# Altium PCB Holberton.PcbDoc (part 1 of 6)
Units mil, origin at the board's own origin, x right, y up, seen from the top; angles counter-clockwise.
Board outline 2963.39 x 3031.46 mil, 6 copper layers (Top Layer, GND, SL1, SL2, PWR, Bottom Layer), stack 30.516 mil thick; 455 components, 409 nets, 1505 pads, 1106 vias.
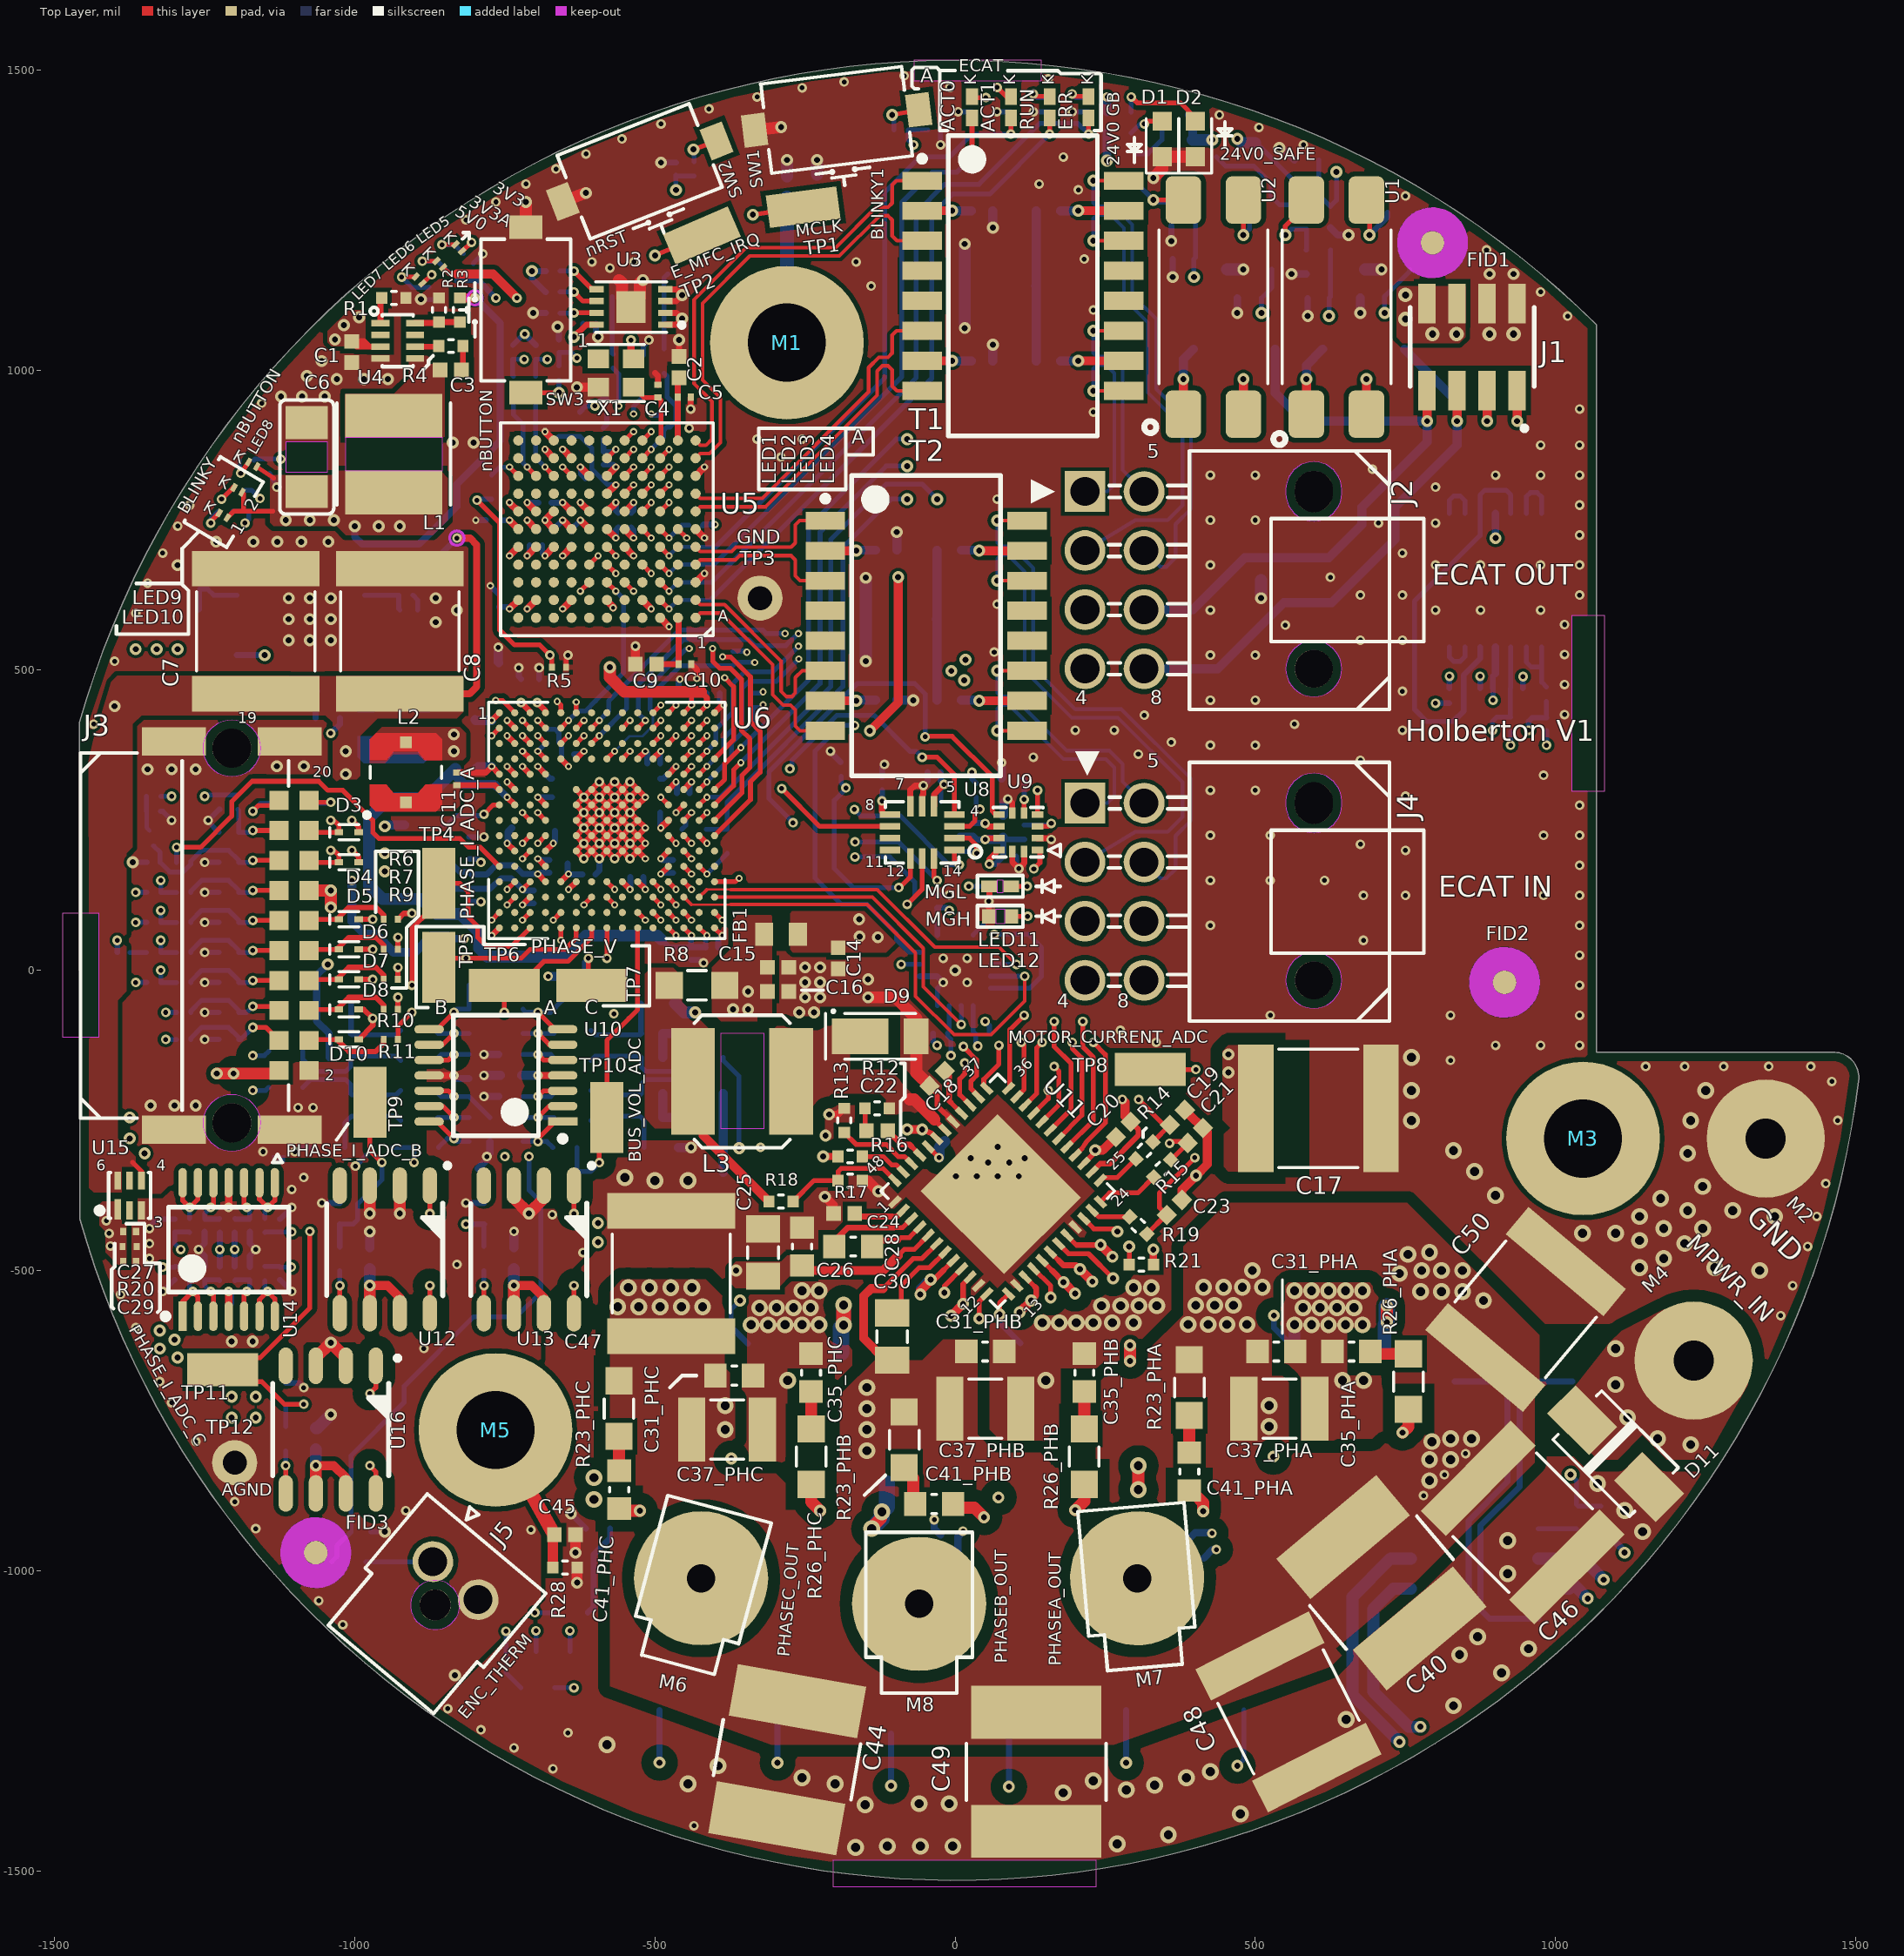
[diagram p0: Top Layer view]
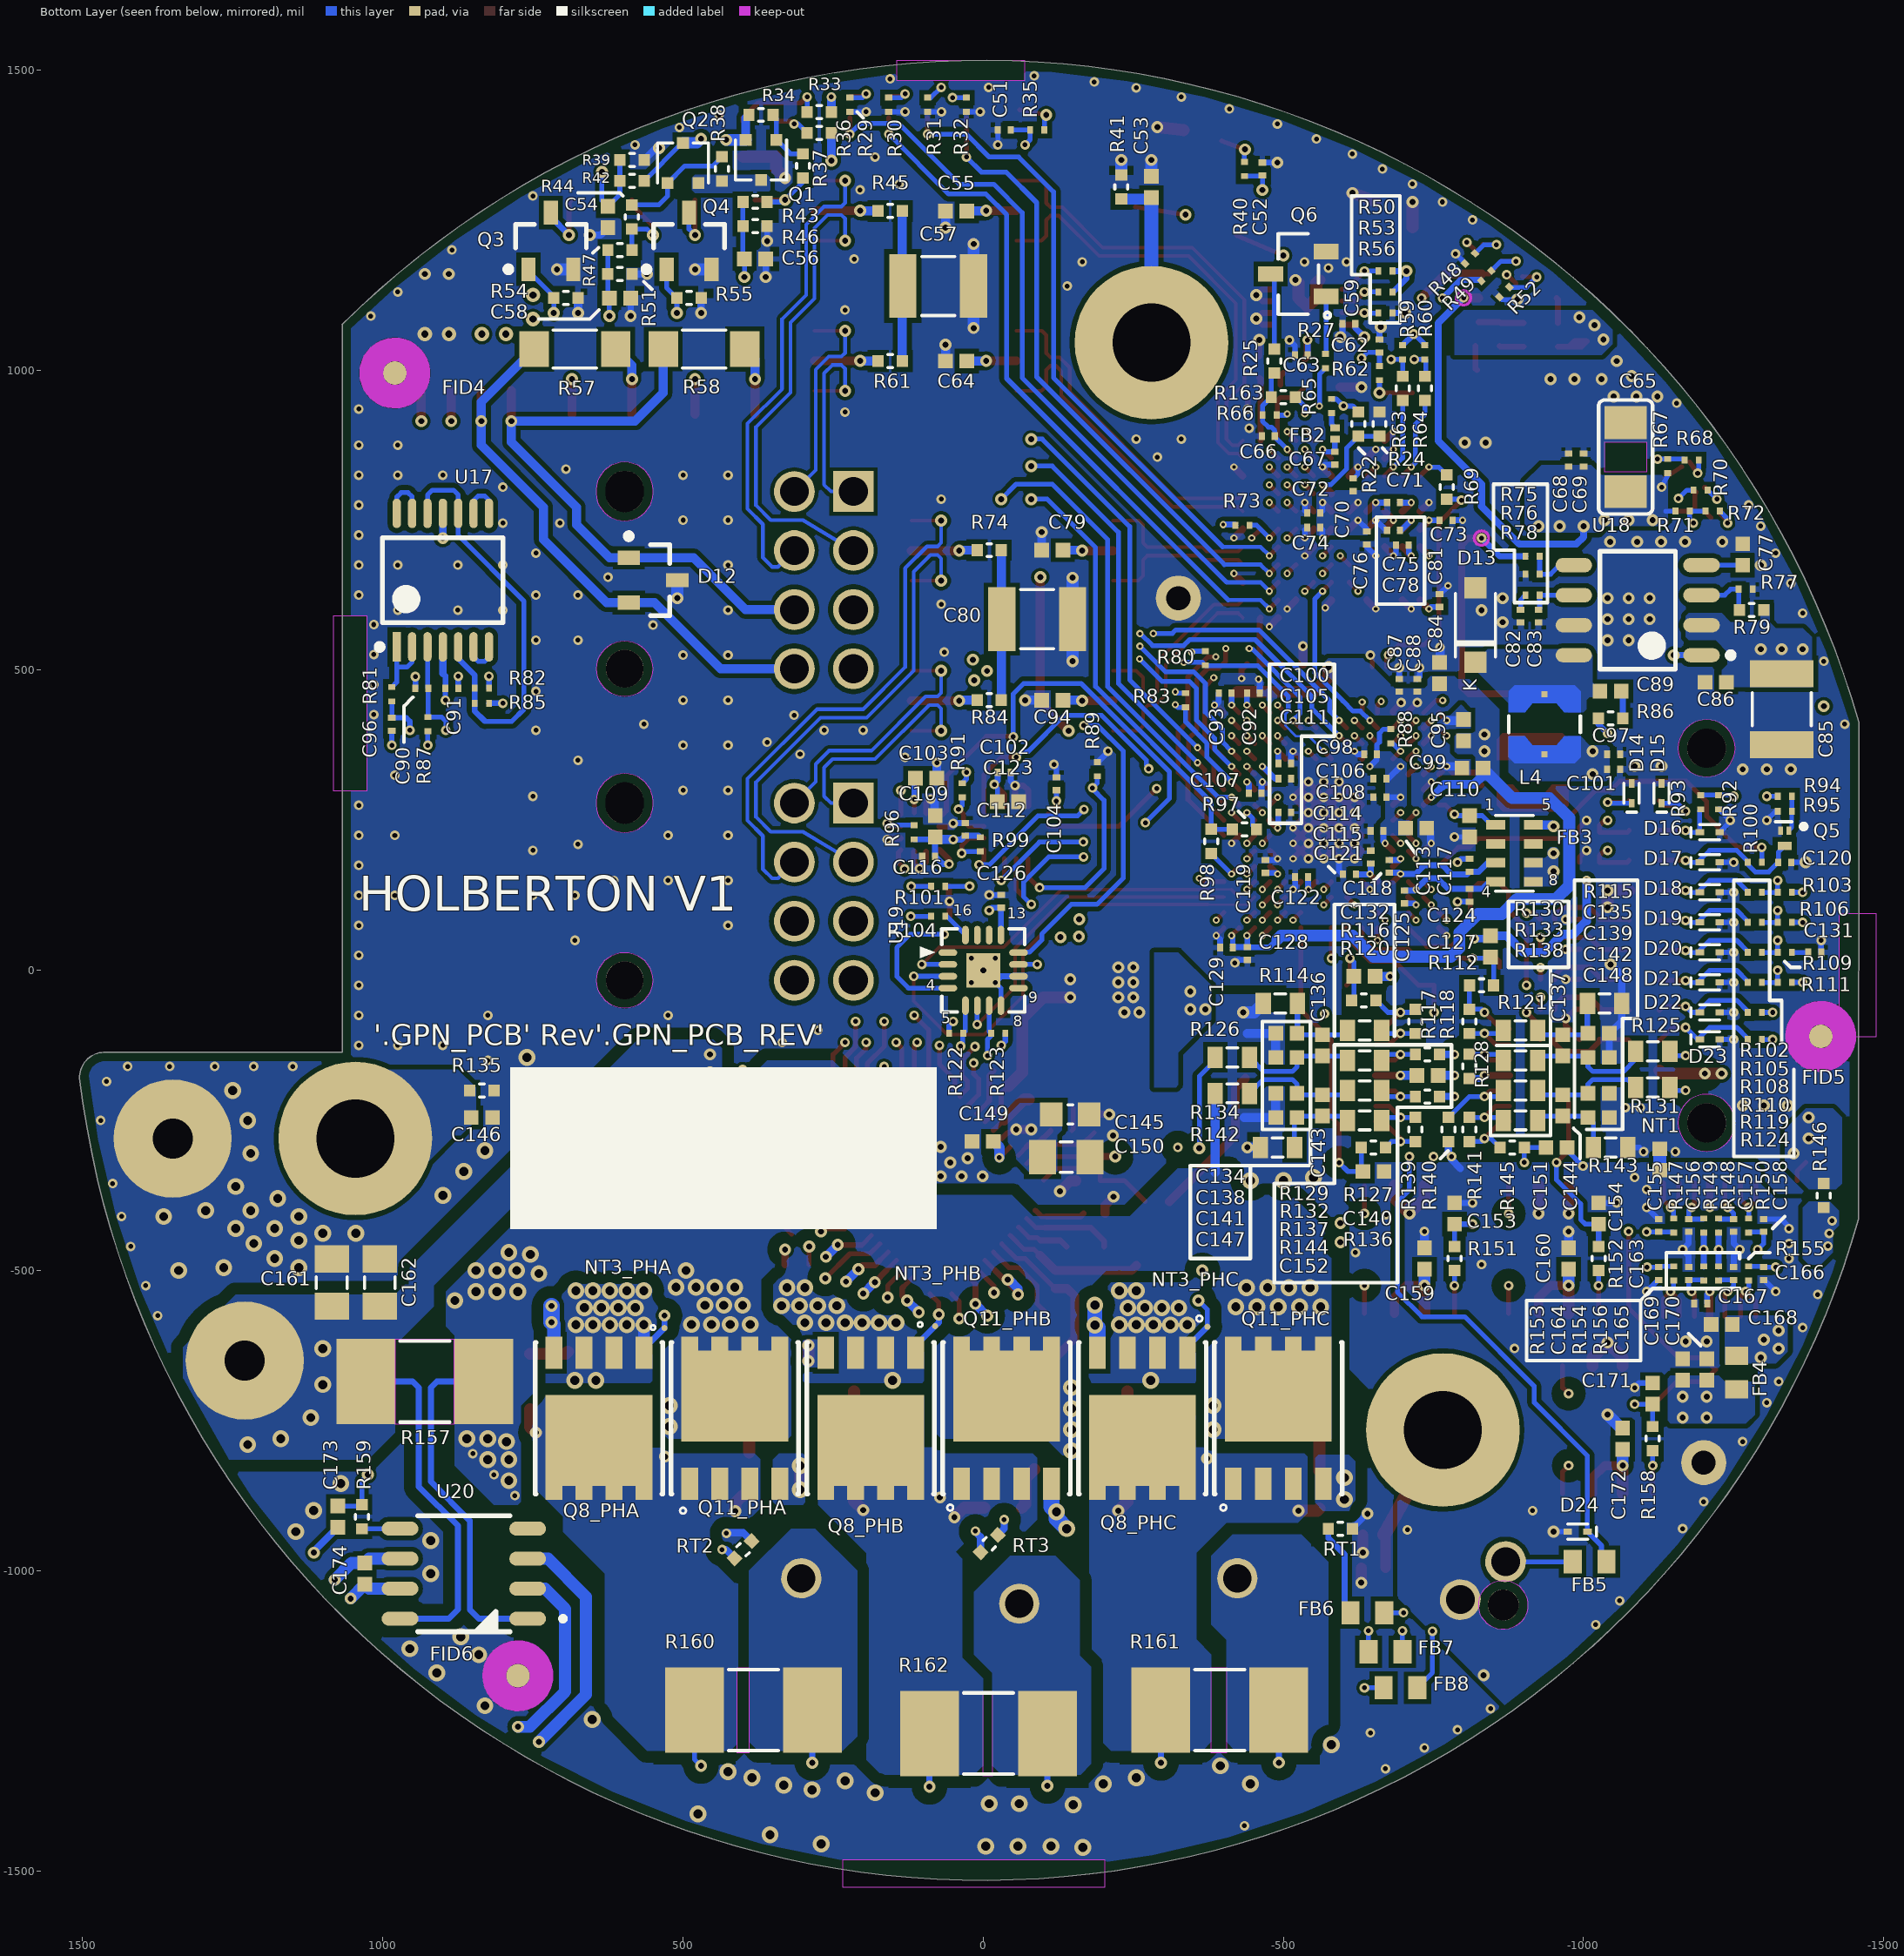
[diagram p1: Bottom Layer view, seen from below]
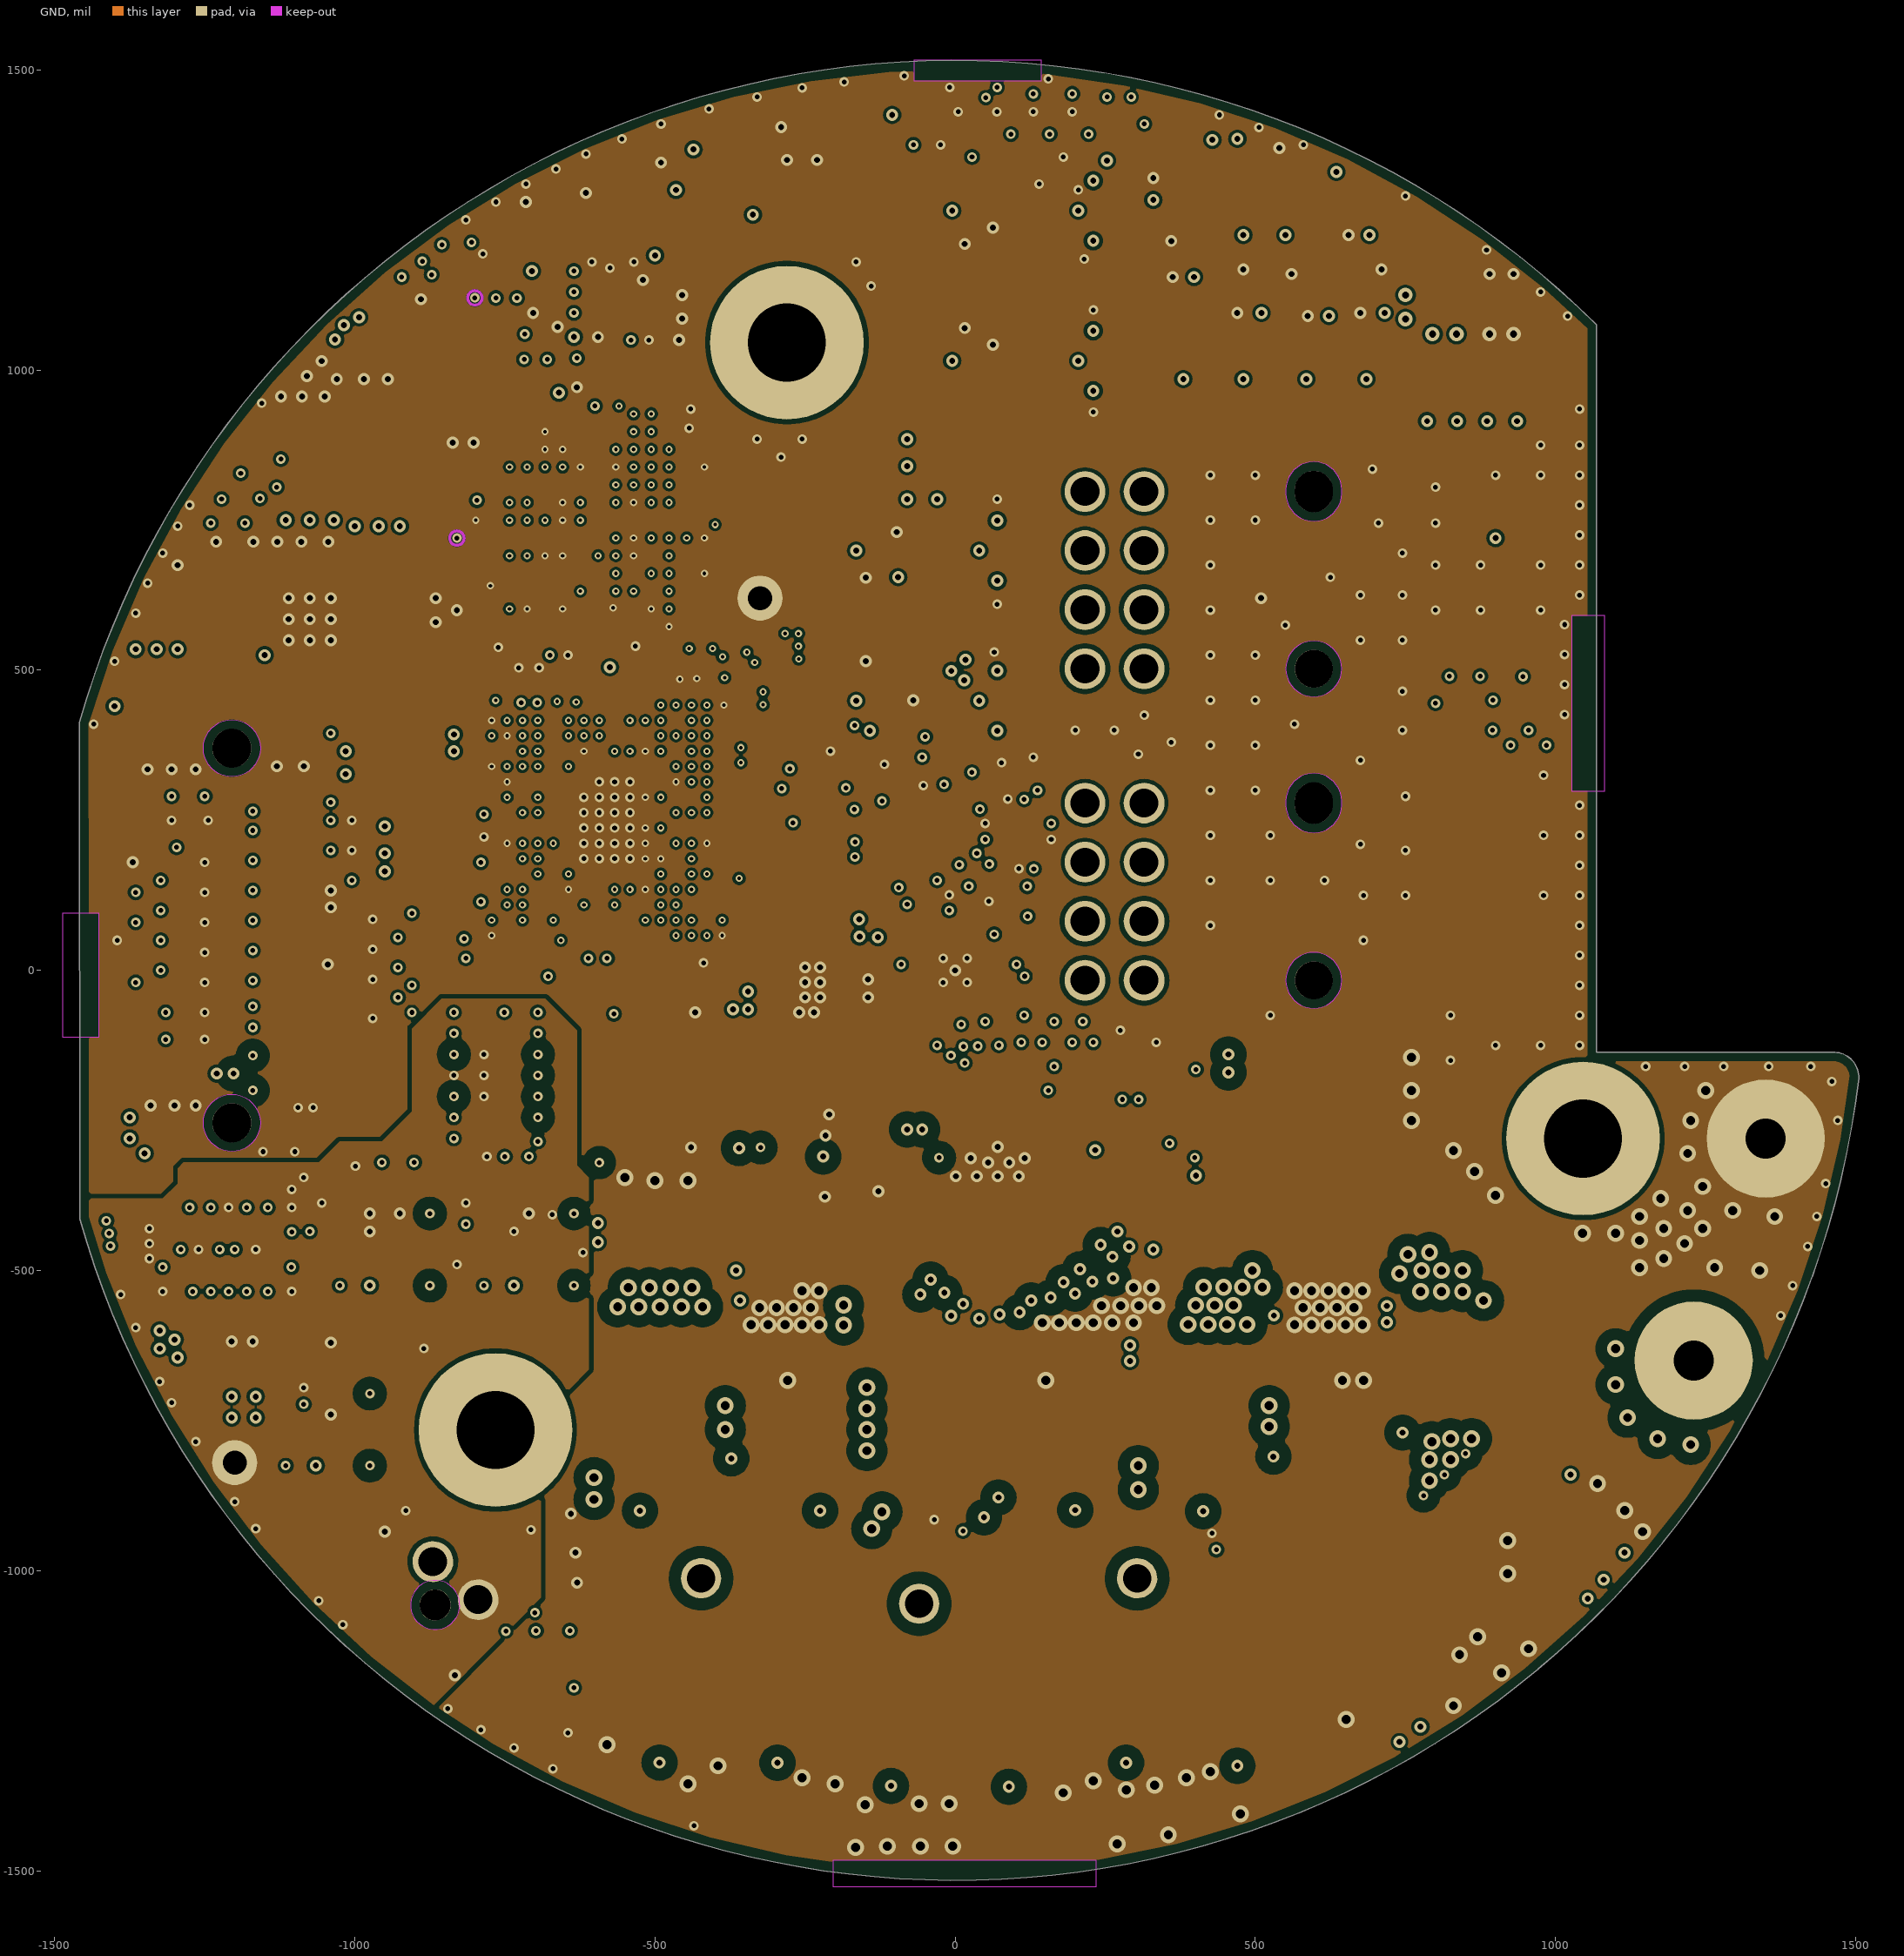
[diagram p2: GND]
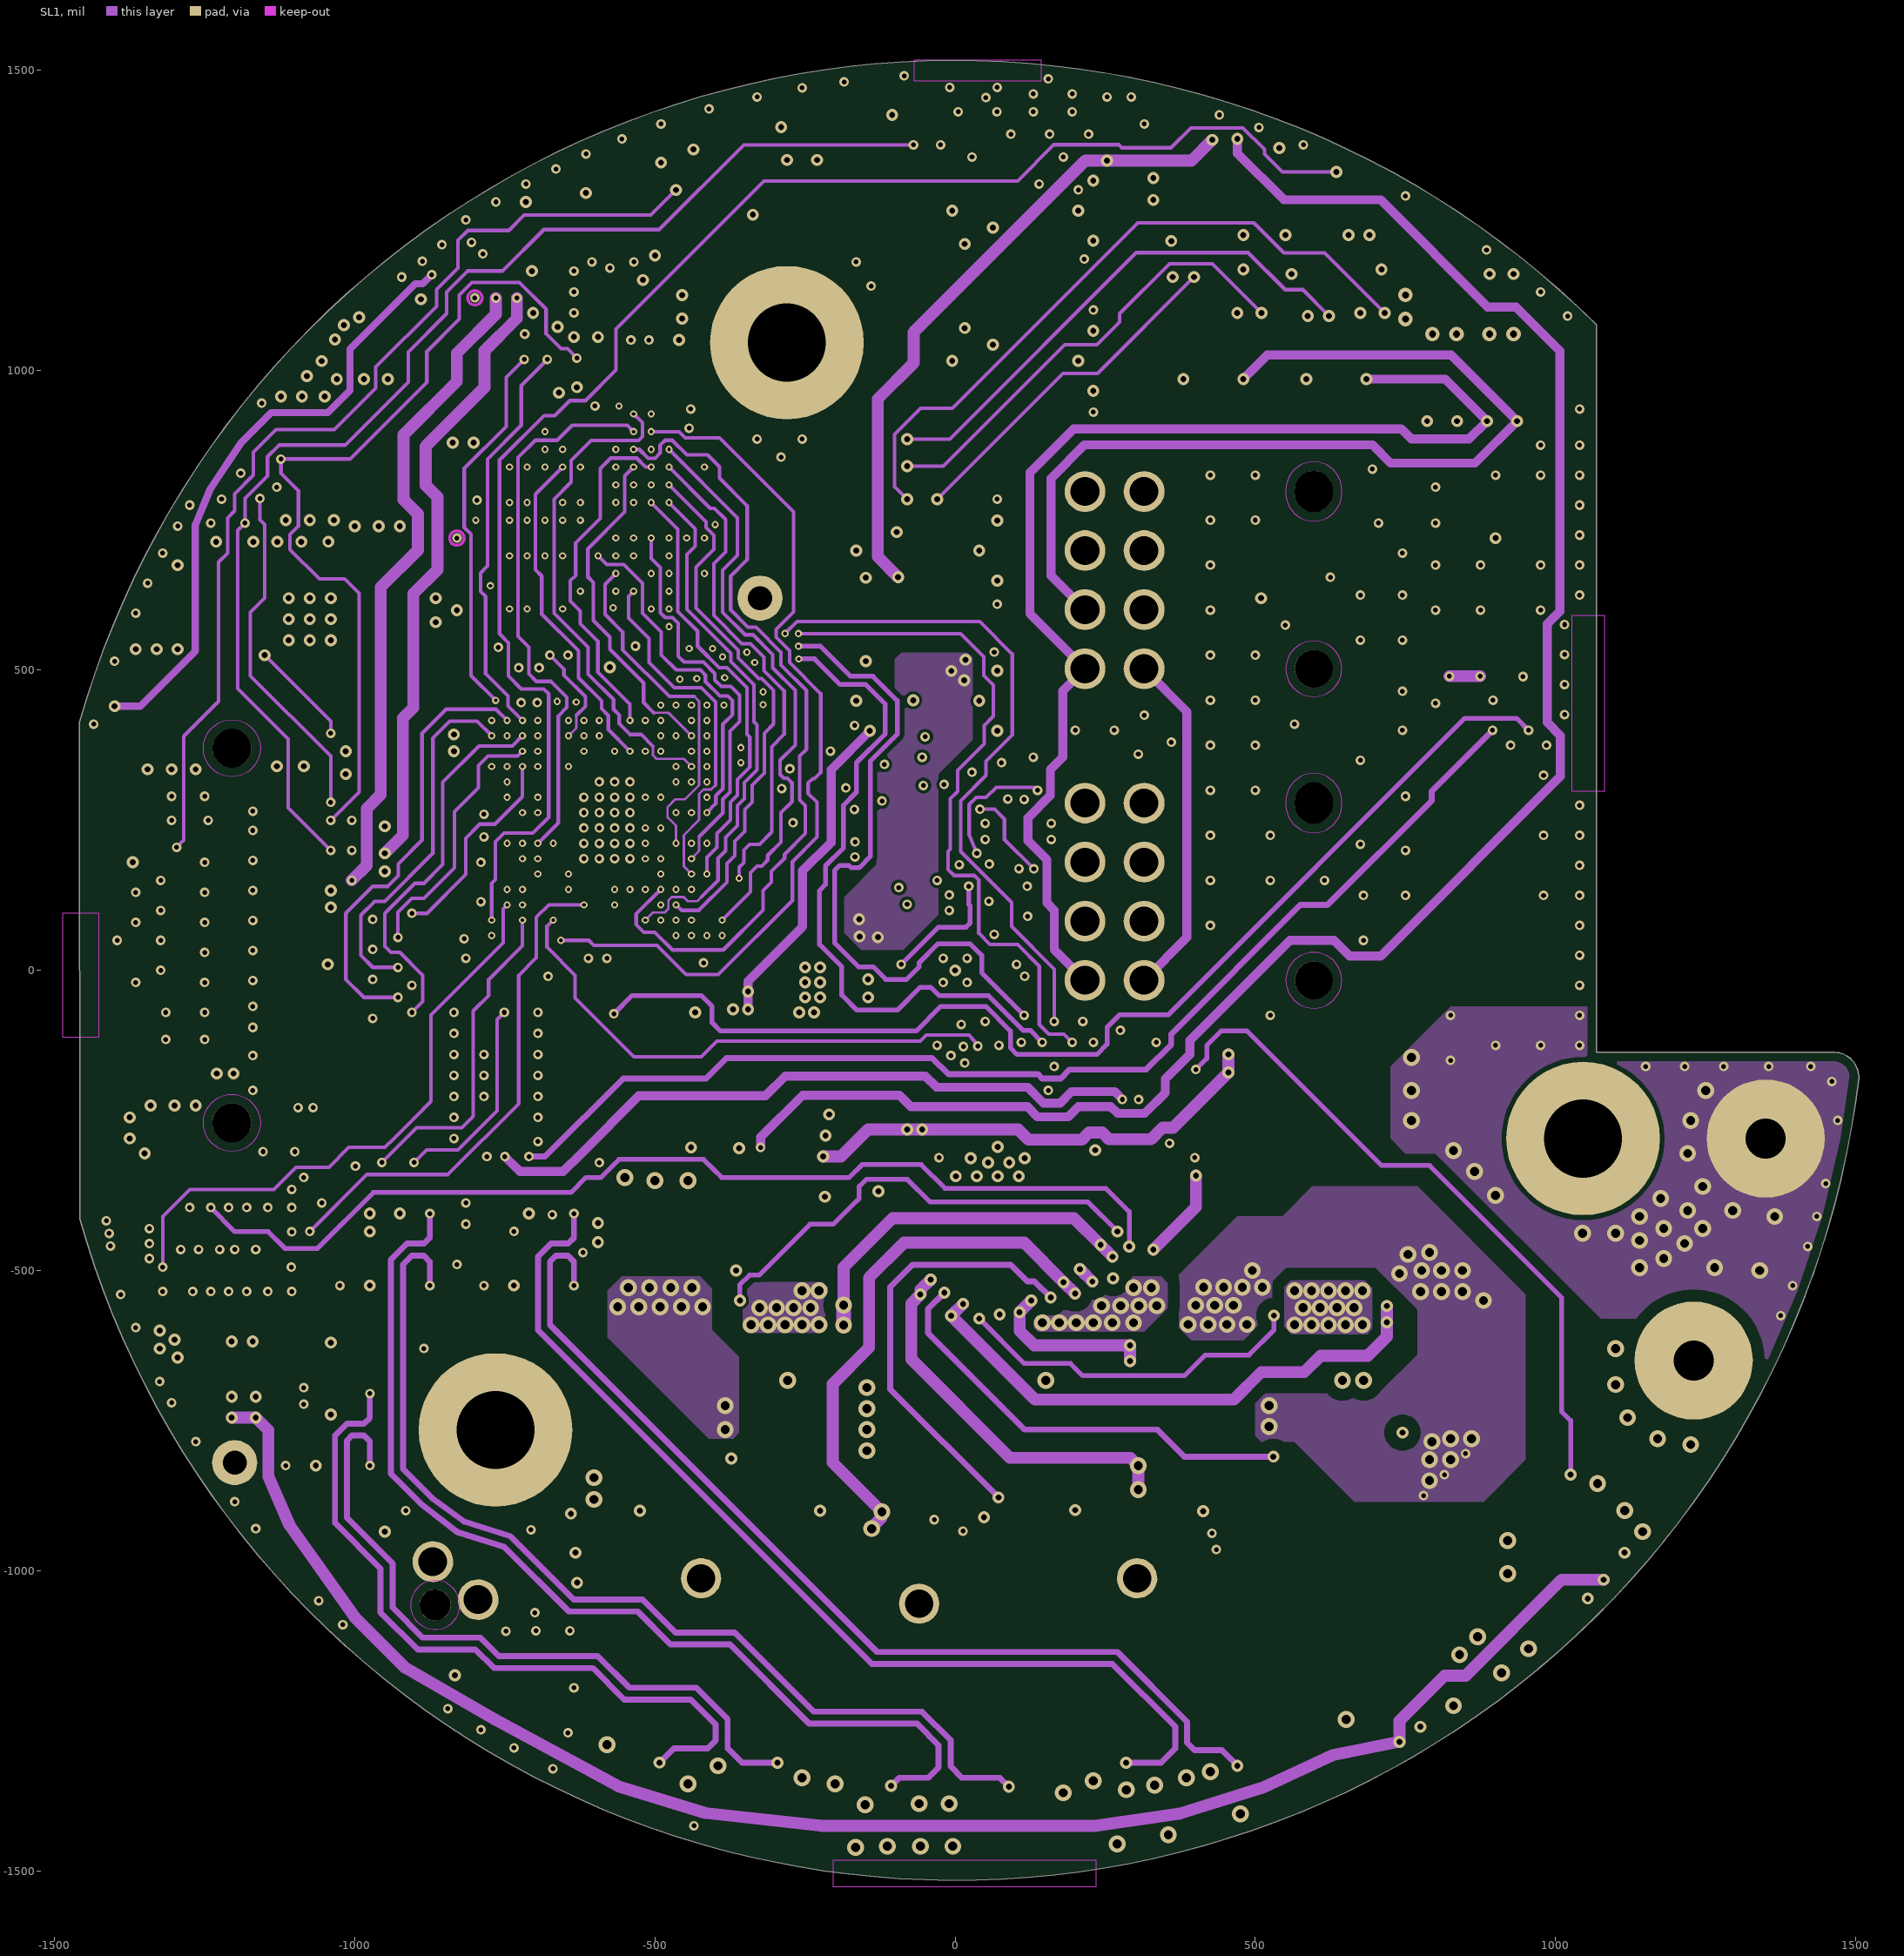
[diagram p3: SL1]